# KiCad board chuck.kicad_pcb
title: Charlieflex; date: 2025-03-09; rev: v1.3; company: chad@transtrum.net
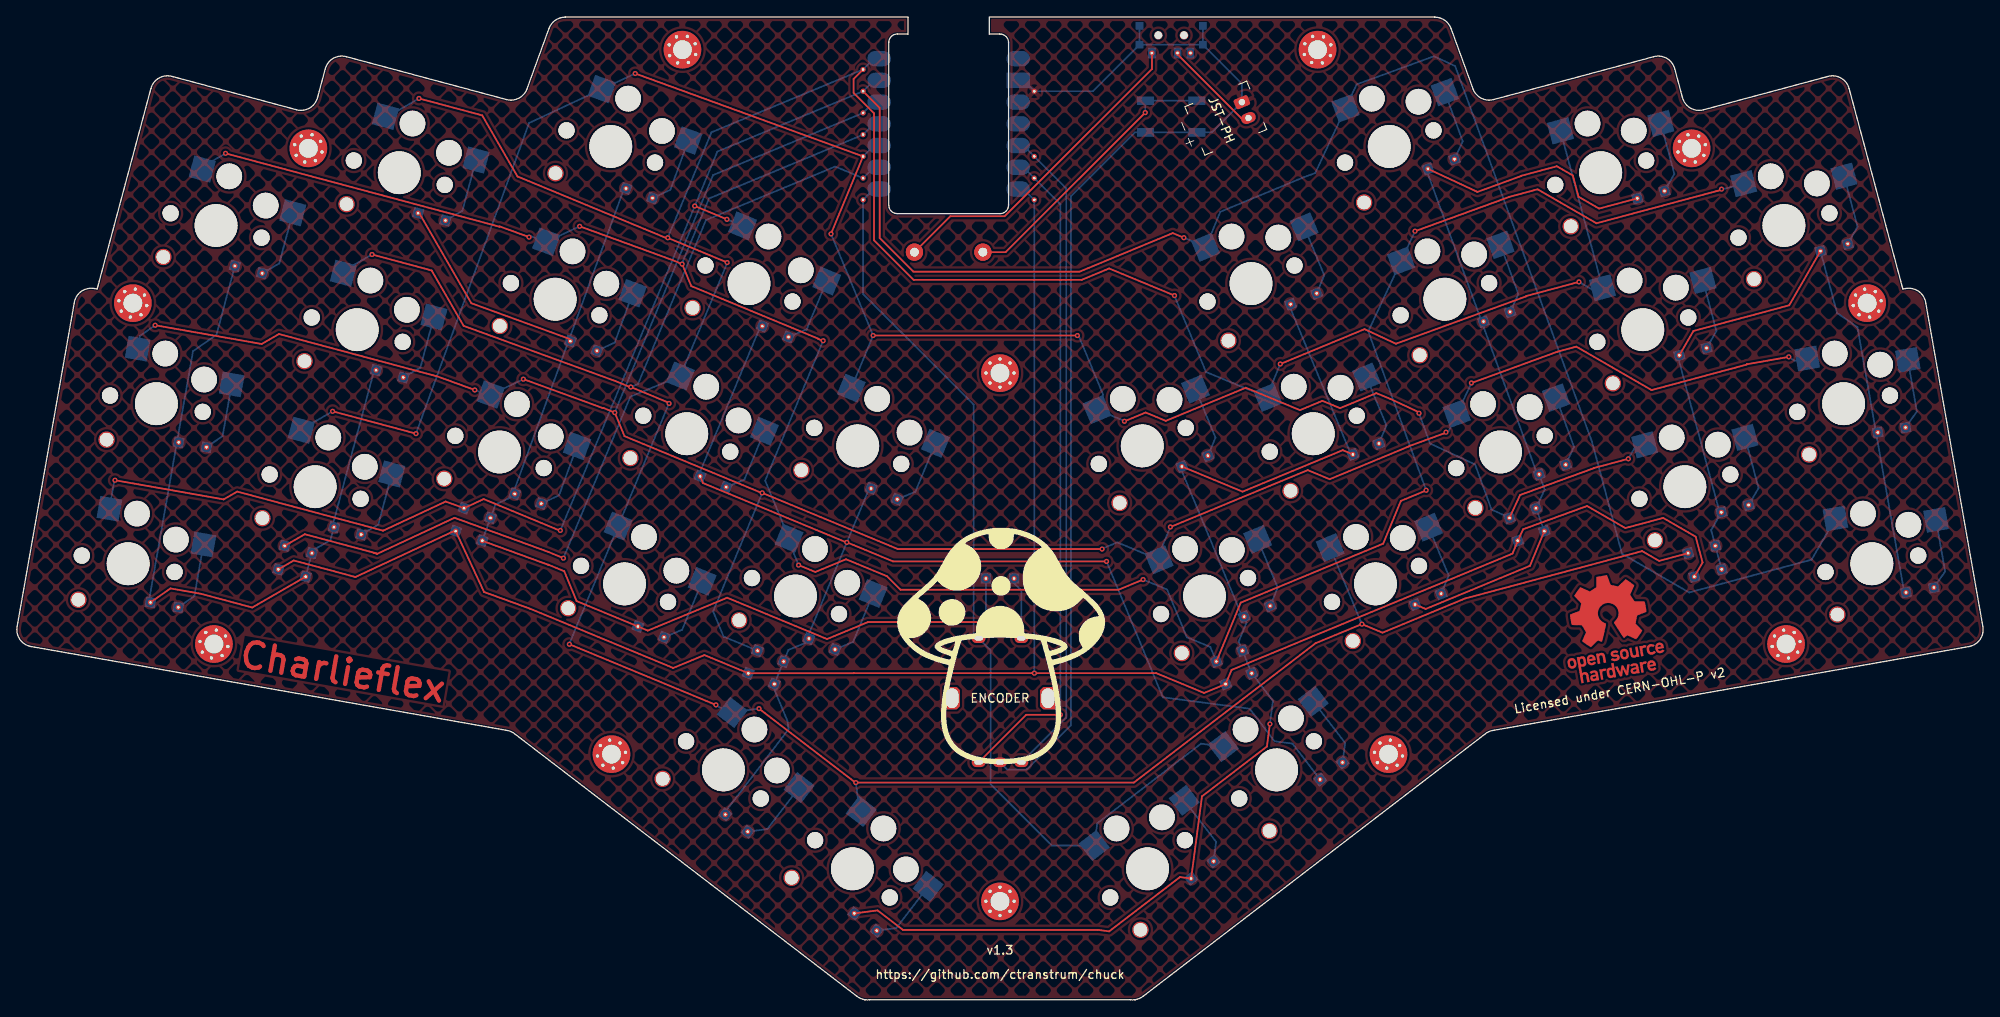
[diagram p0: board, top side]
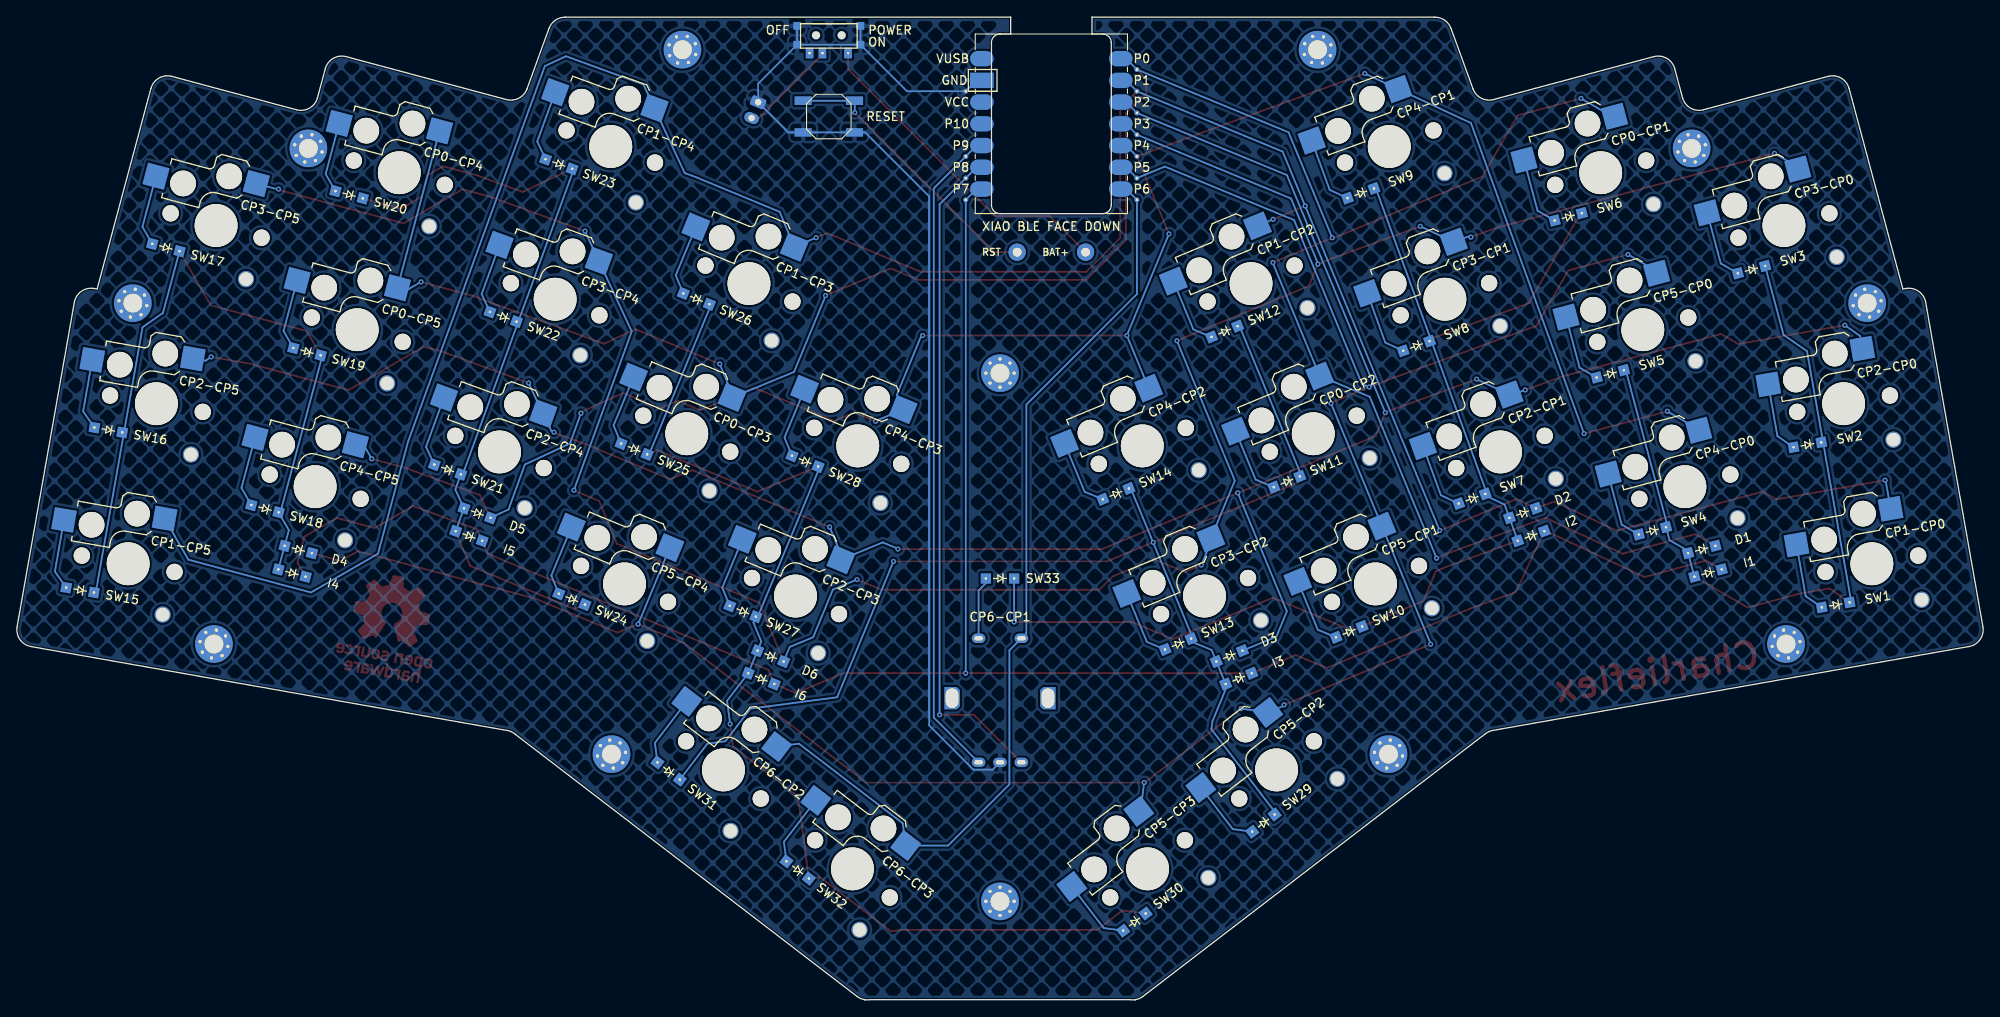
[diagram p1: board, bottom side, seen from below]

Outline 229.69 x 114.89 mm; copper layers: Top, Bottom. Coordinates in mm from the lower left corner of the outline.
Outline path: 0,43.63 3.3,62.34 6.69,81.54 arc(7.51,82.83) 9,83.16 9.35,83.1 15.63,106.55 arc(16.57,107.76) 18.08,107.96 32.65,104.06 arc(34.17,104.26) 35.1,105.47 36.01,108.85 arc(36.94,110.07) 38.46,110.27 57.18,105.25 arc(58.62,105.41) 59.58,106.5 62.15,113.57 arc(62.89,114.52) 64.05,114.88 64.05,114.89 104.1,114.89 104.1,112.92 102.85,112.92 arc(102.14,112.62) 101.85,111.92 101.85,92.92 arc(102.14,92.21) 102.85,91.92 114.85,91.92 arc(115.55,92.21) 115.85,92.92 115.85,111.92 arc(115.55,112.62) 114.85,112.92 113.6,112.92 113.6,114.89 165.65,114.89 165.65,114.88 arc(166.8,114.52) 167.54,113.57 170.11,106.5 arc(171.07,105.41) 172.51,105.25 191.23,110.27 arc(192.75,110.07) 193.68,108.85 194.59,105.47 arc(195.52,104.26) 197.04,104.06 211.61,107.96 arc(213.12,107.76) 214.06,106.55 220.34,83.1 220.69,83.16 arc(222.18,82.83) 223,81.54 226.39,62.34 229.69,43.63 arc(229.36,42.13) 228.07,41.31 172.43,31.5 arc(171.98,31.36) 171.56,31.12 131.55,0.41 arc(131.12,0.16) 130.65,0.02 130.65,0.02 130.62,0.02 arc(130.33,0) 130.05,0.02 99.64,0.02 arc(99.36,0) 99.07,0.02 99.05,0.02 99.05,0.02 arc(98.57,0.16) 98.14,0.41 58.13,31.12 arc(57.71,31.36) 57.26,31.5 1.62,41.31 arc(0.33,42.13) 0,43.63

## Placement (name value [footprint] x y rotation side)
D1  -  [ComboDiode]  32.85 52.65 345 bottom
D2  -  [ComboDiode]  53.77 56.92 340 bottom
D3  -  [ComboDiode]  88.04 40.19 337.5 bottom
D4  -  [ComboDiode]  196.84 52.65 15 bottom
D5  -  [ComboDiode]  175.92 56.92 20 bottom
D6  -  [ComboDiode]  141.65 40.19 22.5 bottom
ENC1  -  [rotary_encoder_ec11_ec12]  114.85 35.27 0 top
G***  Mushroom  [mushroom]  115.85 41.27 0 top
I1  -  [ComboDiode]  32.12 49.9 345 bottom
I2  -  [ComboDiode]  52.79 54.24 340 bottom
I3  -  [ComboDiode]  86.95 37.56 337.5 bottom
I4  -  [ComboDiode]  197.57 49.9 15 bottom
I5  -  [ComboDiode]  176.9 54.24 20 bottom
I6  -  [ComboDiode]  142.74 37.56 22.5 bottom
JST1  -  [battery_connector_jst_ph_2]  143.49 104.02 292.5 top
MCU1  -  [xiao-ble]  108.85 102.42 0 top
NOREF  -  [MountingHole_2.2mm_M2_Pad_Via]  216.17 81.45 10 top
NOREF#2  -  [MountingHole_2.2mm_M2_Pad_Via]  195.66 99.55 15 top
NOREF#3  -  [MountingHole_2.2mm_M2_Pad_Via]  77.74 111.08 340 top
NOREF#4  -  [MountingHole_2.2mm_M2_Pad_Via]  23 41.6 350 top
NOREF#5  -  [MountingHole_2.2mm_M2_Pad_Via]  34.03 99.55 345 top
NOREF#6  -  [MountingHole_2.2mm_M2_Pad_Via]  13.52 81.45 350 top
NOREF#7  -  [MountingHole_2.2mm_M2_Pad_Via]  206.69 41.6 10 top
NOREF#8  -  [MountingHole_2.2mm_M2_Pad_Via]  69.45 28.73 322.5 top
NOREF#9  -  [MountingHole_2.2mm_M2_Pad_Via]  151.95 111.08 20 top
NOREF#10  -  [MountingHole_2.2mm_M2_Pad_Via]  114.85 73.27 0 top
NOREF#11  -  [MountingHole_2.2mm_M2_Pad_Via]  160.24 28.73 37.5 top
NOREF#12  -  [MountingHole_2.2mm_M2_Pad_Via]  114.85 11.52 0 top
PAD1  -  [SMDPad]  104.85 87.42 0 top
PAD2  -  [SMDPad]  112.85 87.42 0 top
REF**  OSHW-Logo_11.4x12mm_Copper  [OSHW-Logo-12mm-Copper]  186.17 43.67 10 top
S1  -  [switch_choc_v1_v2#3]  12.97 50.99 350 bottom
S2  -  [switch_choc_v1_v2#3]  16.27 69.7 350 bottom
S3  -  [switch_choc_v1_v2#3]  23.25 90.53 345 bottom
S4  -  [switch_choc_v1_v2#3]  34.82 60 345 bottom
S5  -  [switch_choc_v1_v2#3]  39.74 78.35 345 bottom
S6  -  [switch_choc_v1_v2#3]  44.66 96.7 345 bottom
S7  -  [switch_choc_v1_v2]  56.37 64.06 340 bottom
S8  -  [switch_choc_v1_v2]  62.87 81.91 340 bottom
S9  -  [switch_choc_v1_v2]  69.36 99.77 340 bottom
S10  -  [switch_choc_v1_v2]  70.97 48.63 337.5 bottom
S11  -  [switch_choc_v1_v2]  78.24 66.19 337.5 bottom
S12  -  [switch_choc_v1_v2]  85.51 83.74 337.5 bottom
S13  -  [switch_choc_v1_v2]  90.95 47.21 337.5 bottom
S14  -  [switch_choc_v1_v2]  98.22 64.77 337.5 bottom
S15  -  [switch_choc_v1_v2#3]  216.72 50.99 10 bottom
S16  -  [switch_choc_v1_v2#3]  213.42 69.7 10 bottom
S17  -  [switch_choc_v1_v2#3]  206.44 90.53 15 bottom
S18  -  [switch_choc_v1_v2#3]  194.87 60 15 bottom
S19  -  [switch_choc_v1_v2#3]  189.95 78.35 15 bottom
S20  -  [switch_choc_v1_v2#3]  185.03 96.7 15 bottom
S21  -  [switch_choc_v1_v2#3]  173.32 64.06 20 bottom
S22  -  [switch_choc_v1_v2#3]  166.83 81.91 20 bottom
S23  -  [switch_choc_v1_v2#3]  160.33 99.77 20 bottom
S24  -  [switch_choc_v1_v2#3]  158.72 48.63 22.5 bottom
S25  -  [switch_choc_v1_v2#3]  151.45 66.19 22.5 bottom
S26  -  [switch_choc_v1_v2#3]  144.18 83.74 22.5 bottom
S27  -  [switch_choc_v1_v2#3]  138.74 47.21 22.5 bottom
S28  -  [switch_choc_v1_v2#3]  131.47 64.77 22.5 bottom
S29  -  [switch_choc_v1_v2#2]  82.53 26.89 322.5 bottom
S30  -  [switch_choc_v1_v2#2]  97.6 15.32 322.5 bottom
S31  -  [switch_choc_v1_v2#3]  147.16 26.89 37.5 bottom
S32  -  [switch_choc_v1_v2#3]  132.09 15.32 37.5 bottom
SW1  -  [ComboDiode]  17.2 46.18 350 bottom
SW2  -  [ComboDiode]  20.5 64.89 350 bottom
SW3  -  [ComboDiode]  27.04 85.37 345 bottom
SW4  -  [ComboDiode]  38.62 54.84 345 bottom
SW5  -  [ComboDiode]  43.53 73.19 345 bottom
SW6  -  [ComboDiode]  48.45 91.54 345 bottom
SW7  -  [ComboDiode]  59.7 58.59 340 bottom
SW8  -  [ComboDiode]  66.2 76.44 340 bottom
SW9  -  [ComboDiode]  72.69 94.3 340 bottom
SW10  -  [ComboDiode]  74.06 43.02 337.5 bottom
SW11  -  [ComboDiode]  81.33 60.58 337.5 bottom
SW12  -  [ComboDiode]  88.6 78.13 337.5 bottom
SW13  -  [ComboDiode]  94.04 41.6 337.5 bottom
SW14  -  [ComboDiode]  101.31 59.16 337.5 bottom
SW15  -  [ComboDiode]  222.33 47.91 10 bottom
SW16  -  [ComboDiode]  219.03 66.63 10 bottom
SW17  -  [ComboDiode]  212.31 87.96 15 bottom
SW18  -  [ComboDiode]  200.73 57.43 15 bottom
SW19  -  [ComboDiode]  195.82 75.78 15 bottom
SW20  -  [ComboDiode]  190.9 94.13 15 bottom
SW21  -  [ComboDiode]  179.39 62.01 20 bottom
SW22  -  [ComboDiode]  172.89 79.86 20 bottom
SW23  -  [ComboDiode]  166.39 97.72 20 bottom
SW24  -  [ComboDiode]  164.87 46.85 22.5 bottom
SW25  -  [ComboDiode]  157.6 64.4 22.5 bottom
SW26  -  [ComboDiode]  150.33 81.96 22.5 bottom
SW27  -  [ComboDiode]  144.89 45.43 22.5 bottom
SW28  -  [ComboDiode]  137.62 62.98 22.5 bottom
SW29  -  [ComboDiode]  84.06 20.67 322.5 bottom
SW30  -  [ComboDiode]  99.14 9.1 322.5 bottom
SW31  -  [ComboDiode]  153.56 26.76 37.5 bottom
SW32  -  [ComboDiode]  138.49 15.19 37.5 bottom
SW33  -  [ComboDiode]  114.85 49.27 0 bottom
SW34  -  [pts526]  134.85 103.27 0 bottom
T1  -  [SPDT_C128955]  134.85 112.77 0 top

## Footprints (pads in the part's own frame, mm; a bottom-side part is the same pattern mirrored in y, then rotated)
battery_connector_jst_ph_2
  rrect 1.2x1.75 hole 0.75: 1(-1,0)
  oval 1.2x1.75 hole 0.75: 2(1,0)
ComboDiode
  round 0.6 hole 0.3: 1(-1.65,0) 2(1.65,0)
  rect 1.2x1.2 smd: 1(-1.65,0) 2(1.65,0)
MountingHole_2.2mm_M2_Pad_Via
  round 0.7 hole 0.4: 1(-1.65,0) 1(-1.167,1.167) 1(-1.167,-1.167) 1(0,-1.65) 1(0,1.65) 1(1.167,1.167) 1(1.167,-1.167) 1(1.65,0)
  round 4.4 hole 2.2: 1(0,0)
pts526
  rect 2x1 smd: 1(-3,1.85) 1(3,1.85) 2(-3,-1.85) 2(3,-1.85)
rotary_encoder_ec11_ec12
  rrect 1.8x2.6 hole 1.5x2.3: (-5.6,0) (5.6,0)
  oval 1.6x1.1 hole 1x0.5: A(2.5,-7.5) B(-2.5,-7.5) C(0,-7.5) S1(-2.5,7) S2(2.5,7)
SMDPad
  round 0.6 hole 0.3: 1(0,0)
  round 2 hole 1: 1(0,0) 1(0,0)
SPDT_C128955
  rect 0.9x0.9 smd far side: (-3.7,1.1) (-3.7,-1.1) (3.7,1.1) (3.7,-1.1)
  round 1 hole 0.9 unplated: (-1.5,0) (1.5,0)
  round 0.6 hole 0.3: 1(-2.25,-2.075) 2(0.75,-2.075) 3(2.25,-2.075)
  rect 0.9x1.25 smd far side: 1(-2.25,-2.075) 2(0.75,-2.075) 3(2.25,-2.075)
switch_choc_v1_v2
  round 1.9 hole 1.9 unplated: (-5.5,0) (5.5,0)
  round 1.9 hole 1.6: (-5,5.15)
  round 3 hole 3 unplated: (0,-5.95) (5,-3.75)
  round 5 hole 5 unplated: (0,0)
  rect 2.6x2.6 smd: 1(-3.275,-5.95) 2(8.275,-3.75)
switch_choc_v1_v2#2
  round 1.9 hole 1.9 unplated: (-5.5,0) (5.5,0)
  round 1.9 hole 1.6: (-5,5.15)
  round 5 hole 5 unplated: (0,0)
  round 3 hole 3 unplated: (0,-5.95) (5,-3.75)
  rect 2.6x2.6 smd: 1(-3.275,-5.95) 2(8.275,-3.75)
switch_choc_v1_v2#3
  round 1.9 hole 1.9 unplated: (-5.5,0) (5.5,0)
  round 1.9 hole 1.6: (-5,5.15)
  round 3 hole 3 unplated: (0,-5.95) (5,-3.75)
  round 5 hole 5 unplated: (0,0)
  rect 2.6x2.6 smd: 1(-3.275,-5.95) 2(8.275,-3.75)
xiao-ble
  oval 2.75x1.8 smd far side: 1(-8.12,7.62) 2(-8.12,5.08) 3(-8.12,2.54) 4(-8.12,0) 5(-8.12,-2.54) 6(-8.12,-5.08) 7(-8.12,-7.62) 8(8.12,-7.62) 9(8.12,-5.08) 10(8.12,-2.54) 11(8.12,0) 12(8.12,2.54) 14(8.12,7.62)
  rect 2.75x1.8 smd far side: 13(8.12,5.08)
  round 0.6 hole 0.3: 15(-10,6.35) 16(-10,3.81) 17(-10,1.27) 18(-10,-1.27) 19(-10,-3.81) 20(-10,-6.35) 20(-10,-8.89) 22(10,3.81) 25(10,-3.81) 26(10,-6.35) 27(10,-8.89)

## Nets
GND: ENC1.C JST1.1 MCU1.13 MCU1.22 SW34.1 T1.
BAT+: PAD1.1 T1.1
CP0: D1.1 MCU1.1 MCU1.15 S6.1 S11.1 S19.1 S20.1 S25.1
CP1: D2.1 MCU1.2 MCU1.16 S1.1 S12.1 S15.1 S23.1 S26.1
CP2: D3.1 MCU1.3 MCU1.17 S2.1 S7.1 S16.1 S21.1 S27.1
CP3: D6.1 MCU1.4 MCU1.18 S3.1 S8.1 S13.1 S17.1 S22.1
CP4: D5.1 MCU1.5 MCU1.19 S4.1 S9.1 S14.1 S18.1 S28.1
CP5: D4.1 MCU1.6 S5.1 S10.1 S24.1 S29.1 S30.1
CP5|CP6: MCU1.20
CP6: ENC1.S1 MCU1.7 S31.1 S32.1
CP_INT: I1.1 I2.1 I3.1 I4.1 I5.1 I6.1 MCU1.8 MCU1.27
D_CP0: D1.2 I1.2 SW1.1 SW2.1 SW3.1 SW4.1 SW5.1
D_CP1: D2.2 I2.2 SW6.1 SW7.1 SW8.1 SW9.1 SW10.1 SW33.1
D_CP2: D3.2 I3.2 SW11.1 SW12.1 SW13.1 SW14.1 SW29.1 SW31.1
D_CP3: D6.2 I6.2 SW25.1 SW26.1 SW27.1 SW28.1 SW30.1 SW32.1
D_CP4: D5.2 I5.2 SW20.1 SW21.1 SW22.1 SW23.1 SW24.1
D_CP5: D4.2 I4.2 SW15.1 SW16.1 SW17.1 SW18.1 SW19.1
ENC_A: ENC1.A MCU1.10 MCU1.25
ENC_B: ENC1.B MCU1.9 MCU1.26
encdiode: ENC1.S2 SW33.2
index_bottom: S10.2 SW10.2
index_home: S11.2 SW11.2
index_top: S12.2 SW12.2
inner_bottom: S13.2 SW13.2
inner_home: S14.2 SW14.2
inner_spot: S29.2 SW29.2
middle_bottom: S7.2 SW7.2
middle_home: S8.2 SW8.2
middle_top: S9.2 SW9.2
mirror_index_bottom: S24.2 SW24.2
mirror_index_home: S25.2 SW25.2
mirror_index_top: S26.2 SW26.2
mirror_inner_bottom: S27.2 SW27.2
mirror_inner_home: S28.2 SW28.2
mirror_inner_spot: S31.2 SW31.2
mirror_middle_bottom: S21.2 SW21.2
mirror_middle_home: S22.2 SW22.2
mirror_middle_top: S23.2 SW23.2
mirror_outer_spot: S32.2 SW32.2
mirror_pinky_bottom: S15.2 SW15.2
mirror_pinky_home: S16.2 SW16.2
mirror_pinky_top: S17.2 SW17.2
mirror_ring_bottom: S18.2 SW18.2
mirror_ring_home: S19.2 SW19.2
mirror_ring_top: S20.2 SW20.2
outer_spot: S30.2 SW30.2
pinky_bottom: S1.2 SW1.2
pinky_home: S2.2 SW2.2
pinky_top: S3.2 SW3.2
RAW: JST1.2 T1.2
ring_bottom: S4.2 SW4.2
ring_home: S5.2 SW5.2
ring_top: S6.2 SW6.2
RST: PAD2.1 SW34.2

Pads without a net: MCU1 11 12 14; NOREF 1; NOREF#2 1; NOREF#3 1; NOREF#4 1; NOREF#5 1; NOREF#6 1; NOREF#7 1; NOREF#8 1; NOREF#9 1; NOREF#10 1; NOREF#11 1; NOREF#12 1; T1 3

## Via types
v1: diameter 0.6, hole 0.3, Top to Bottom, 56 vias

## Routing (per net, layer and track width the routed paths; a pad name or vN(x,y) marks a point on that pad's centre or on a via; arc(x,y) is an arc through that point)
GND: length 134.5
  Bottom w0.2: 131.15,111.67 125.71,106.23 MCU1.22 117.58,107.5 MCU1.13 ; 131.15,111.67 131.15,113.87 ; 131.15,111.67 138.55,111.67 ; 138.55,111.67 143.11,107.11 JST1.1 139.58,101.42 SW34.1 SW34.1 130.6,101.42 123.12,93.94 123.12,32.1 117.95,26.92 115.7,26.92 ENC1.C ; 138.55,111.67 138.55,113.87
BAT+: length 38.5
  Top w0.2: T1.1 132.6,108.82 115.39,91.62 109.05,91.62 PAD1.1
CP0: length 298.8
  Top w0.2: v1(147.6,74.34) 157.44,78.42 161.1,76.71 176.32,82.24 176.34,82.29 v1(182.49,83.94) ; MCU1.15 97.74,107.66 97.74,106.03 100.13,103.64 100.13,103.61 100.13,88.79 104.75,84.17 124.38,84.17 127.59,85.5 v1(135.24,82.34) ; 41.7,52.27 42.02,52.19 ; 41.7,52.27 42.06,52.14 51.1,56.36 62.1,52.36 63.83,51.64 v1(63.83,51.64) ; 41.7,52.27 33.61,54.44 D1.1 ; v1(46.96,105.38) 54.35,103.4 58.47,96.26 75.9,89.04 v1(76.02,89.09) 76.03,89.08 82.96,86.21 v1(82.96,86.2)
  Bottom w0.2: v1(82.96,86.2) 82.98,86.17 S11.1 71.65,70.52 v1(63.83,51.64) ; v1(135.24,82.34) 135.22,82.31 138.91,73.41 146.12,70.42 S25.1 146.06,70.63 v1(147.6,74.34) ; v1(182.49,83.94) 184.18,82.96 S19.1 S20.1 ; MCU1.1 100.12,110.04 MCU1.15 81.13,101.43 v1(76.02,89.09) ; v1(46.96,105.38) 43.25,103.24 S6.1
CP1: length 322.1
  Top w0.2: v1(11.43,60.75) 24.14,58.51 24.16,58.52 25.72,59.42 42.77,54.85 50.07,58.26 D2.1 54.51,58.55 63.42,54.86 v1(63.48,54.88) ; v1(136.33,89.1) 135.02,89.64 124.14,85.13 104.72,85.13 100.78,89.07 100.78,104.29 MCU1.16 ; v1(82.94,91.25) v1(79.18,92.81)
  Bottom w0.2: v1(11.43,60.75) 11.36,60.7 S1.1 ; v1(82.94,91.25) 82.94,91.25 S12.1 ; S15.1 209.68,51.47 195.36,47.63 187.52,52.15 184.01,65.25 168.03,109.16 165.56,110.32 156.52,107.03 S23.1 151.68,96.66 150.41,96.2 140.59,92.13 S26.1 138.84,88.06 v1(136.33,89.1) ; MCU1.2 100.12,107.5 MCU1.16 81.82,99.18 v1(63.48,54.88)
CP2: length 290.2
  Top w0.2: v1(126.77,52.71) 126.77,52.71 102.91,52.71 v1(87.06,59.27) 87.02,59.25 70.97,65.9 v1(69.83,68.65) 68.51,69.2 68.45,69.18 v1(59.15,72.56) ; v1(53.48,71.3) 53.47,71.3 49,72.93 48.98,72.92 30.59,77.84 28.57,76.67 v1(16.13,78.87) ; v1(134.75,55.28) 150.8,61.93 153.36,60.87 162.69,64.73 162.7,64.76 166.92,66.3 v1(166.95,66.36) ; v1(207.01,75.17) 202.11,74.31 202.08,74.27 190.98,71.29 182.18,76.37 179.99,75.78 v1(169.92,72.12)
  Bottom w0.2: v1(134.75,55.28) 133.3,51.78 S27.1 128.55,53.48 126.79,52.76 v1(126.77,52.71) ; MCU1.3 100.12,104.96 MCU1.17 81.32,96.43 69.83,68.67 v1(69.83,68.65) ; S16.1 207.66,74.72 v1(207.01,75.17) ; v1(53.48,71.3) 55.15,70.69 S7.1 59.15,72.55 v1(59.15,72.56) ; v1(16.13,78.87) 14.35,77.62 S2.1 ; v1(166.95,66.36) 167.25,66.47 S21.1 168.26,68.55 v1(169.92,72.12) ; v1(87.06,59.27) 81.32,45.42 82.55,42.45 82.66,42.41 82.68,42.41 D3.1
CP3: length 301.1
  Top w0.2: v1(164.63,59.58) 164.63,59.58 164.64,59.56 161.69,58.34 159.62,53.34 142.98,46.44 D6.1 ; v1(131.56,49.13) 131.56,49.14 128.68,47.95 103.22,47.95 101.64,49.53 96.85,51.51 93.26,50.02 v1(91.31,50.83) ; v1(163.34,89.86) 174.38,93.88 177.66,94.76 184.54,90.79 199.1,94.69 v1(199.15,94.78) ; v1(94.18,77.06) 94.14,77.04 93.64,77.25 93.63,77.29 78.77,83.44 v1(77.71,86.02) 76.61,86.47 v1(65.73,90.43) ; v1(59.82,89.17) 59.82,89.17 56.39,90.42 56.34,90.39 v1(24.36,98.96)
  Bottom w0.2: v1(59.82,89.17) 60.04,89.27 S8.1 61.84,88.62 v1(65.73,90.43) ; v1(91.31,50.83) 90.11,53.74 S13.1 87.41,60.71 v1(94.18,77.06) ; S17.1 199.2,94.75 v1(199.15,94.78) ; v1(163.34,89.86) 161.71,86.38 S22.1 157.87,78.15 v1(164.63,59.58) ; S3.1 21.71,97.43 v1(24.36,98.96) ; D6.1 139.42,41.26 136.68,42.39 134.37,47.97 v1(131.56,49.13) ; v1(77.71,86.02) 77.68,86.07 80.84,93.69 MCU1.18 100.12,102.42 MCU1.4
CP4: length 237.6
  Top w0.2: v1(123.89,77.66) 123.88,77.67 v1(100.02,77.67) ; D5.1 175.62,59.03 184.23,62.16 184.24,62.18 v1(188.26,63.25) ; v1(72.22,108.3) MCU1.19 95.1,89.56 v1(95.1,89.55) ; v1(36.87,68.81) v1(46.6,66.2) ; v1(129.38,67.64) 131.86,68.67 134.21,67.69 143.56,71.56 149.89,68.94 152.51,70.03 154.57,69.18 158.81,70.93 160.47,70.25 163.76,68.72 v1(163.81,68.58)
  Bottom w0.2: S18.1 189.03,64.59 v1(188.26,63.25) ; MCU1.19 100.12,99.88 MCU1.5 ; v1(46.6,66.2) 59.82,102.51 S9.1 v1(72.22,108.3) ; S4.1 33.23,66.71 v1(36.87,68.81) ; D5.1 172.27,57.33 170.36,62.59 165.09,65.04 v1(163.81,68.58) ; v1(129.38,67.64) 129.37,67.68 S28.1 126.89,70.76 124.06,77.59 v1(123.89,77.66) ; S14.1 v1(100.02,77.67) v1(95.1,89.55)
CP5: length 275.6
  Top w0.2: v1(64.52,41.58) 81.64,34.48 v1(81.66,34.49) ; v1(76.18,69.73) 76.14,69.81 v1(71.71,71.65) 71.65,71.62 69.92,72.34 52.17,78.79 48.43,85.27 v1(41.47,87.14) ; v1(86.68,34.05) 97.96,25.4 v1(98,25.41) 130.49,25.41 151.71,41.69 157.12,43.93 v1(157.13,43.93) 159.54,42.93 169.16,46.92 189.87,52.47 191.86,51.32 D4.1
  Bottom w0.2: v1(76.18,69.73) 76.16,69.73 S10.1 64.51,41.6 v1(64.52,41.58) ; S5.1 38.2,85.25 v1(41.47,87.14) ; S24.1 156.98,44.27 156.99,44.27 v1(157.13,43.93) ; v1(86.68,34.05) 83.59,33.64 S29.1 81.71,34.36 v1(81.66,34.49) ; MCU1.6 100.12,97.34 98.85,96.07 95.58,97.42 80.49,91.17 72.55,71.99 v1(71.71,71.65) ; S30.1 98.42,22.19 v1(98,25.41)
CP6: length 112.5
  Bottom w0.2: MCU1.7 100.12,94.8 98.85,93.53 98.85,82.52 111.76,69.6 111.76,42.85 ENC1.S1 113.75,40.87 113.75,25.21 120.9,18.05 S32.1 126.21,20.65 138.34,29.96 S31.1
CP_INT: length 245.6
  Top w0.2: I4.1 196.94,51.13 196.13,54.15 192.33,56.34 188.39,55.29 187.91,55.16 183.44,57.74 175.98,55.02 I5.1 174.73,52.17 141.9,38.58 I6.1 138.69,35.88 133.1,38.2 v1(118.86,38.2) 97.73,38.2 97.72,38.19 I3.1 80.3,40.31 76.63,38.79 76.62,38.82 59.99,45.71 54.56,47.68 I2.1 51.12,54.84 39.52,49.44 39.52,49.44 32.32,51.37 I1.1
  Bottom w0.2: MCU1.8 117.58,94.8 MCU1.27 118.85,37.94
D_CP0: length 87.9
  Top w0.2: SW1.1 17.92,48.1 21.49,47.47 27.47,45.87 I1.2
  Bottom w0.2: SW3.1 23.29,77.75 23.26,77.73 20.55,75.84 18.71,65.41 SW2.1 18.64,65.01 15.41,46.7 SW1.1 ; I1.2 D1.2 34.53,52.55 36.62,53.75 SW4.1 36.88,55.51 41.69,73.47 SW5.1
D_CP1: length 140
  Top w0.2: I2.2 62.06,50.86 62.08,50.87 63.93,50.11 65.37,46.62 SW10.1 73.69,43.18 82.96,47.02 94.63,42.18 99.42,44.17 113.18,44.17 v1(113.19,44.18) ; SW6.1 47.02,91.93 53.07,81.44 64.52,77.28 SW8.1
  Bottom w0.2: v1(113.19,44.18) 113.2,44.18 SW33.1 ; I2.2 D2.2 55.89,57.91 58.06,58.93 SW7.1 58.02,59.41 64.38,76.88 SW8.1 64.52,77.27 70.88,94.74 SW9.1
D_CP2: length 153.1
  Top w0.2: v1(127.29,51.26) 102.35,51.26 96.97,53.49 v1(96.95,53.48) 96.92,53.47 80.13,60.42 SW11.1
  Bottom w0.2: SW31.1 149.03,29.96 146.93,30.24 144.01,34.04 133.87,35.38 v1(127.29,51.26) ; SW12.1 86.81,78.65 79.7,61.47 SW11.1 ; SW29.1 82.72,21.96 90.14,31.64 90.02,32.57 88.35,36.62 I3.2 D3.2 90.13,40.91 92.35,41.83 SW13.1 92.4,42.5 v1(96.95,53.48) 99.52,59.68 SW14.1
D_CP3: length 138.2
  Top w0.2: v1(146.38,32.25) 146.03,29.62 138.44,23.8 SW32.1 135.87,14.36 127.6,8.01 126.26,8.19 126.26,8.18 103.51,8.18 100.53,10.46 SW30.1 ; SW25.1 154.89,64.26 143.19,59.42 SW28.1
  Bottom w0.2: v1(146.38,32.25) 146.74,34.97 I6.2 D6.2 142.73,41.89 143.65,44.11 SW27.1 143.1,44.91 135.99,62.09 SW28.1 ; SW26.1 148.69,81.06 155.81,63.88 SW25.1
D_CP4: length 92.7
  Top w0.2: SW24.1 164.59,45.7 176.77,50.75 I5.2 ; SW23.1 170.63,94.45 175.75,96.32 175.76,96.34 179.91,97.45 181.78,96.38 182.44,93.89 184.84,92.51 SW20.1
  Bottom w0.2: SW23.1 164.72,96.89 171.08,79.42 SW22.1 171.22,79.04 177.58,61.57 SW21.1 178.49,59.66 D5.2 I5.2
D_CP5: length 90.7
  Top w0.2: SW17.1 207.06,81.2 195.87,78.2 SW19.1
  Bottom w0.2: SW17.1 212.66,80.28 212.83,80.18 215.03,78.64 217.17,66.5 SW16.1 217.24,66.1 220.47,47.79 SW15.1 ; SW19.1 194.08,75.1 198.89,57.14 SW18.1 197.94,54.92 D4.2 I4.2
ENC_A: length 77
  Bottom w0.2: ENC1.A 122.58,33.01 122.58,94.87 MCU1.25 117.58,99.88 MCU1.10
ENC_B: length 78.3
  Top w0.2: v1(121.9,33.33) 117.9,33.33 ENC1.B
  Bottom w0.2: MCU1.9 117.58,97.34 MCU1.26 121.9,93.01 v1(121.9,33.33)
encdiode: length 7.4
  Bottom w0.2: SW33.2 116.5,48.71 117.35,47.86 ENC1.S2
index_bottom: length 8.4
  Bottom w0.2: SW10.2 77.71,43.27 S10.2
index_home: length 8.4
  Bottom w0.2: S11.2 84.98,60.82 SW11.2
index_top: length 8.4
  Bottom w0.2: S12.2 92.25,78.38 SW12.2
inner_bottom: length 8.4
  Bottom w0.2: SW13.2 97.69,41.85 S13.2
inner_home: length 8.4
  Bottom w0.2: S14.2 104.96,59.4 SW14.2
inner_spot: length 8.4
  Bottom w0.2: S29.2 87.65,19.96 SW29.2
middle_bottom: length 8.4
  Bottom w0.2: SW7.2 63.33,59 S7.2
middle_home: length 8.4
  Bottom w0.2: S8.2 69.83,76.85 SW8.2
middle_top: length 8.4
  Bottom w0.2: SW9.2 76.33,94.7 S9.2
mirror_index_bottom: length 8.4
  Bottom w0.2: SW24.2 167.27,49.6 S24.2
mirror_index_home: length 8.4
  Bottom w0.2: S25.2 160,67.16 SW25.2
mirror_index_top: length 8.4
  Bottom w0.2: SW26.2 152.73,84.71 S26.2
mirror_inner_bottom: length 8.4
  Bottom w0.2: S27.2 147.3,48.18 SW27.2
mirror_inner_home: length 8.4
  Bottom w0.2: SW28.2 140.02,65.74 S28.2
mirror_inner_spot: length 8.4
  Bottom w0.2: S31.2 155.17,30.04 SW31.2
mirror_middle_bottom: length 8.4
  Bottom w0.2: S21.2 181.91,64.66 SW21.2
mirror_middle_home: length 8.4
  Bottom w0.2: S22.2 175.41,82.51 SW22.2
mirror_middle_top: length 8.4
  Bottom w0.2: S23.2 168.92,100.36 SW23.2
mirror_outer_spot: length 8.4
  Bottom w0.2: S32.2 140.1,18.47 SW32.2
mirror_pinky_bottom: length 8.4
  Bottom w0.2: SW15.2 225.28,50.08 S15.2
mirror_pinky_home: length 8.4
  Bottom w0.2: S16.2 221.98,68.79 SW16.2
mirror_pinky_top: length 8.4
  Bottom w0.2: SW17.2 215.05,90.38 S17.2
mirror_ring_bottom: length 8.4
  Bottom w0.2: S18.2 203.48,59.84 SW18.2
mirror_ring_home: length 8.4
  Bottom w0.2: SW19.2 198.56,78.2 S19.2
mirror_ring_top: length 8.4
  Bottom w0.2: SW20.2 193.64,96.55 S20.2
outer_spot: length 8.4
  Bottom w0.2: SW30.2 102.72,8.4 S30.2
pinky_bottom: length 8.4
  Bottom w0.2: SW1.2 20.71,47.21 S1.2
pinky_home: length 8.4
  Bottom w0.2: SW2.2 24.01,65.92 S2.2
pinky_top: length 8.4
  Bottom w0.2: S3.2 30.63,86.09 SW3.2
RAW: length 11.5
  Top w0.2: JST1.2 143.02,103.1 135.6,110.52 T1.2
ring_bottom: length 8.4
  Bottom w0.2: S4.2 42.2,55.56 SW4.2
ring_home: length 8.4
  Bottom w0.2: S5.2 47.12,73.91 SW5.2
ring_top: length 8.4
  Bottom w0.2: SW6.2 52.03,92.26 S6.2
RST: length 33.1
  Top w0.2: v1(131.81,103.73) 115.5,87.42 PAD2.1
  Bottom w0.2: v1(131.81,103.73) 131.81,105.08 SW34.2 SW34.2

## Copper pours and planes (outline as drawn; the poured copper is in the pictures)
GND on Top, Bottom: -3.39,122.43 231.97,122.43 231.72,-4.84 -1.39,-4.59

## Text on the board
B.Silkscreen: CP5-CP2 | CP5-CP3 | CP5-CP1 | CP0-CP2 | CP1-CP2 | CP3-CP2 | CP4-CP2 | CP2-CP1 | CP3-CP1 | CP4-CP1 | CP3-CP0 | CP4-CP0 | CP5-CP0 | CP0-CP1 | CP1-CP0 | CP2-CP0 | POWER | ON | XIAO BLE FACE DOWN | CP6-CP1 | RESET | OFF | CP2-CP5 | CP1-CP5 | CP0-CP4 | CP0-CP5 | CP4-CP5 | CP3-CP5 | CP1-CP4 | CP3-CP4 | CP2-CP4 | CP4-CP3 | CP2-CP3 | CP1-CP3 | CP0-CP3 | CP5-CP4 | CP6-CP3 | CP6-CP2
Top: Charlieflex
F.Mask: Charlieflex
F.Silkscreen: v1.3 | https://github.com/ctranstrum/chuck | Licensed under CERN-OHL-P v2
